# Altium PCB P0.PcbDoc (part 2 of 3) (continued)
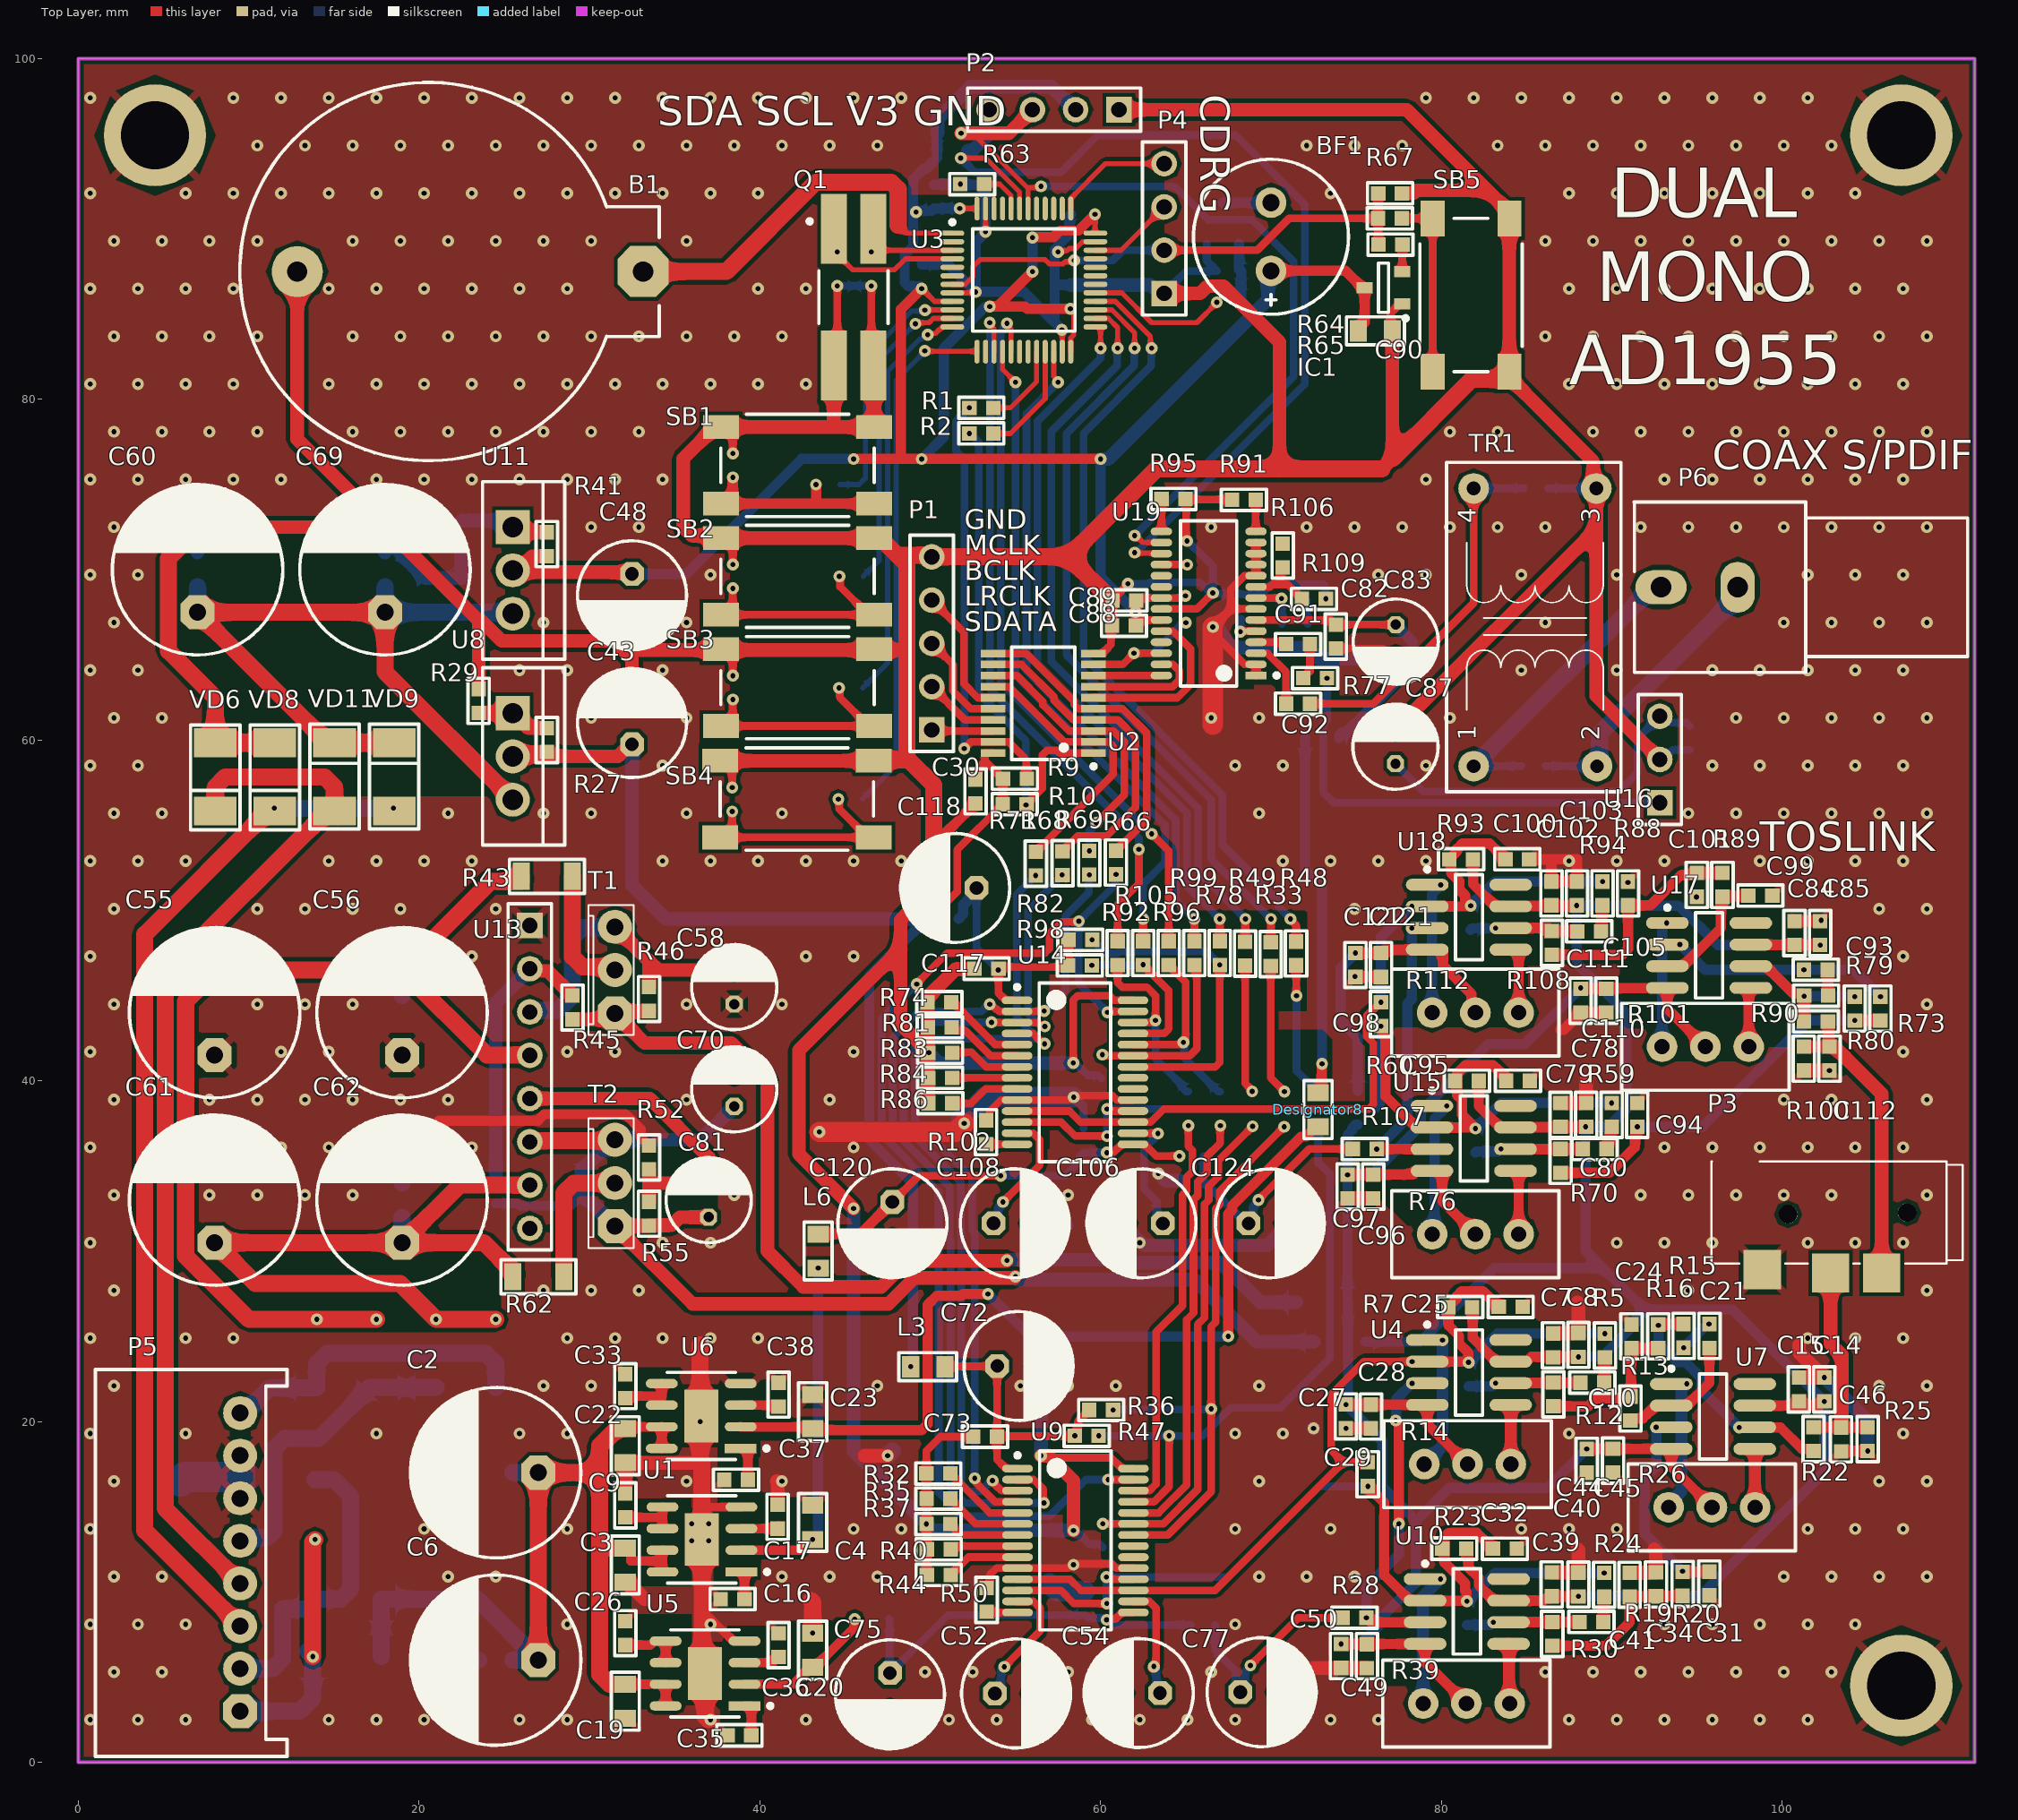
[diagram p0: Top Layer view]
## Nets (pads, with @x,y where several pads share a name; then routed paths per layer and width w, separated by ;. In a path a pad name is that pad's centre, name@x,y a point inside that pad or via, vN(x,y) a via of type N, cw(c..) or ccw(c..) an arc to the next point about the centre after c; other vN are vias at no path point) (continued)
AVDDL: C4.1 L6.2 U1.2 | length 20.9
  Top Layer w0.55: U1.2@38.918,12.447 42.342,12.447 42.977,13.082 v1(43.102,13.082) ; v1(43.423,29.007) 43.548,29.007 L6.2@43.773,28.782
  Bottom Layer w0.6: v1(43.102,13.082) 43.102,13.109 43.423,13.43 v1(43.423,29.007)
AVDDR: C20.1 L2.2 U5.2 | length 8.3
  Top Layer w0.55: U5.2@39.102,4.582 41.977,4.582 42.977,5.582 C20.1@43.102,5.582 43.227,5.582 45.541,7.896 45.541,8.38 v1(45.569,8.408)
AVDR: C23.1 Designator8.1 Designator8.2 L4.1 U6.2 | length 73.2
  Top Layer w0.55: U6.2@38.877,19.696 38.881,19.692 C23.1@42.991,19.692
  Top Layer w0.6: C23.1@42.991,19.692 C23.1@43.102,19.582 43.183,19.5 49.5,19.5 49.857,19.857 49.857,26.857 50.393,27.393 51.838,27.393 51.931,27.486 v1(53.388,27.486) ; v1(67.5,25) 67.482,25.018 67.482,32.189 67.725,32.432 67.725,32.674 71.776,36.725 72.056,36.725 72.638,37.306 Designator8.1@72.763,37.306 ; Designator8.2@72.763,39.306 72.781,39.306 72.981,39.506 72.981,40.981 v1(73,41)
  Bottom Layer w0.6: v1(53.388,27.486) 53.402,27.486 55.888,25 v1(67.5,25) ; L4.1@72,60.138 72,52.406 73,51.406 v1(73,41)
AVIN: C1.1 C2.1 C3.1 C5.1 C6.1 C19.1 C22.1 U1.7 U1.8 U5.7 U5.8 U6.7 U6.8 VD3.2 VD4.2 | length 61.5
  Top Layer w0.55: C19.1@32.102,4.582 U5.7@34.469,4.582 U5.8@34.469,3.312 ; C3.1@32.102,12.582 32.199,12.582 32.424,12.357 32.424,11.812 34.285,11.812 ; C22.1@32.102,19.582 32.212,19.692 34.241,19.692 U6.7@34.244,19.696 U6.8@34.244,18.426 ; U1.8@34.285,11.177 34.285,11.812 ; U1.7@34.285,12.447 34.285,11.812
  Top Layer w1: C6.1@27,6 C2.1@27,17 30.602,17 ; C19.1@32.102,4.582 31.187,4.582 30.602,5.167 30.602,12.5 ; C3.1@32.102,12.582 30.683,12.582 30.602,12.5 ; C22.1@32.102,19.582 31.602,19.582 30.602,18.582 30.602,17 ; 30.602,12.5 30.602,17
  Bottom Layer w1: VD3.2@17.763,6.203 17.779,6.219 17.779,9.566 VD4.2@17.795,9.582 23.418,9.582 C6.1@27,6 C5.1@25.5,6 ; C1.1@25.5,17 C2.1@27,17
BCLK: R68.1 U2.4 U2.12 | length 19.7
  Top Layer w0.45: U2.12@53.691,64.436 55.36,64.436 57.271,62.525 57.271,62.335 58.421,61.186 U2.4@59.591,61.186 61.031,61.186 62.042,60.175 62.042,56.042 60.363,54.363 58.66,54.363 R68.1@57.767,53.47
BCLK1: R68.2 U9.3 U14.3 | length 50.4
  Top Layer w0.45: v1(53.598,43.434) 53.607,43.425 U14.3@55.1,43.425 56.28,43.425 56.313,43.425 v1@56.409,43.33 ; v1(53.658,16.536) 53.658,16.469 53.8,16.327 53.8,16.324 54.181,15.943 U9.3@55.125,15.943 ; v1(57.741,52.083) 57.753,52.083 R68.2@57.767,52.07 57.967,51.87 57.967,51.858 R68.2@57.981,51.843
  Bottom Layer w0.45: v1(53.598,43.434) 49.625,43.434 48.45,42.259 48.45,37.388 51.8,34.038 51.8,30.98 51.838,30.943 51.838,16.346 52.292,15.892 52.947,15.892 53.59,16.536 v1(53.658,16.536) ; v1(56.728,43.188) 56.68,43.236 56.469,43.236 55.733,43.972 55.733,50.001 56.606,50.874 56.606,50.922 57.741,52.057 v1(57.741,52.083)
BUZZ: R31.1 U3.29 | length 8.4
  Top Layer w0.3: U3.29@59.7,86.25 61.25,86.25 63,84.5 65.65,84.5 66.819,85.669 v1(66.819,85.697)
DGNDD: B1.2 C11.1 C12.1 C13.1 C18.1 C30.1 C42.1 C43.2 C47.1 C48.2 C59.2 C60.2 C63.1 C64.2 C65.1 C67.1 C68.2 C69.2 C71.1 C72.2 C73.2 C86.1 C87.2 C88.1 C89.1 C90.2 C104.1 C115.1 C116.1 C117.2 C118.2 IC1.1 L1.1 L5.1 L7.2 P1.5 P2.1 P4.1 Q1.2 Q1.3 R29.2 R32.1 R34.2 R35.1 R37.1 R40.1 R42.2 R44.1 R51.1 R63.2 R67.1 R74.1 R75.1 R81.1 R83.1 R84.1 R86.1 R91.2 R95.2 R97.2 R103.1 R109.2 SB1.2 SB2.2 SB3.2 SB4.2 SB5.2 TR1.3 U2.10 U3.8 U3.23 U3.35 U3.47 U9.28 U14.28 U16.2 U19.22 VD6.1 VD8.1 VT1.2 | length 543.9
  Top Layer w0.3: U3.8@51.3,86.25 52.613,86.25 v1(52.667,86.304) ; v1@53.25,89.833 U3.47@53.25,91.2 ; v1(57.5,88.65) 57.577,88.727 58.037,88.727 58.16,88.85 58.543,88.85 58.943,89.25 U3.35@59.7,89.25 ; v1(57.731,84.08) 57.75,84.061 U3.23@57.75,82.8
  Top Layer w0.45: SB4.2@37.678,58.787 37.902,58.787 38.377,58.312 v1(38.377,57.21) ; SB1.2@37.715,78.373 37.939,78.373 38.414,77.898 v1(38.414,76.823) ; SB2.2@37.939,71.855 38.414,71.38 v1(38.414,70.305) ; SB3.2@37.984,65.285 38.414,64.854 v1(38.414,63.779) ; Q1.2@44.34,82 44.55,82.21 v1(44.55,86.66) ; Q1.3@46.55,82.11 v1(46.55,86.66) ; R44.1@49.8,11 49.789,11.011 49.789,16.943 R32.1@49.778,16.954 49.778,18.278 50.616,19.116 C73.2@52.52,19.116 ; 57.124,17.879 60.614,17.879 61.25,17.243 U9.28@61.925,17.243 ; v1(58.4,41.044) 58.4,44.736 58.663,45 60.522,45 60.797,44.725 U14.28@61.9,44.725 ; U2.10@59.591,65.086 60.091,65.086 60.616,65.61 60.616,66.652 C88.1@60.674,66.71 60.682,66.718 60.682,68.189 C89.1@60.69,68.197 61.24,68.747 61.24,68.798 61.605,69.163 v1(61.605,69.169) ; U19.22@63.57,67.696 65.651,67.696 v1(66.591,68.636) ; R95.2@64.979,74.153 R95.2@65.004,74.127 ; v1(65.078,71.687) 65.03,71.735 65.03,74.102 R95.2@65.004,74.127 ; R91.2@67.707,74.102 67.682,74.127 R95.2@65.004,74.127 ; C90.2@77.03,84.22 77.03,85.076 77.554,85.601 IC1.1@77.704,85.601
  Top Layer w0.6: 50.217,53.848 C30.1@52.657,56.288
  Top Layer w0.8: C60.2@7,72.5 C69.2@18,72.5 ; B1.2@12.848,87.5 12.848,77.651 C69.2@18,72.5 ; R29.2@23.5,63 23.5,67 ; C43.2@32.5,62.25 32.5,64.75 31.965,65.285 ; C48.2@32.5,67.25 32.5,65.82 31.43,65.82 ; SB1.2@37.715,78.373 37.365,78.373 35.5,76.508 35.5,72.5 36,72 37.795,72 37.939,71.855 SB2.2@46.715,71.855 SB2.2@47.065,71.855 ; SB4.2@37.902,58.787 SB4.2@46.678,58.787 ; SB1.2@37.939,78.373 44.5,78.373 ; Q1.2@44.34,82 44.34,78.533 44.5,78.373 ; v1(45.5,32.5) 42.3,35.7 42.3,41.8 48.264,47.764 ; Q1.3@46.55,82.11 Q1.3@46.66,82 46.688,81.972 46.688,78.401 SB1.2@46.715,78.373 44.5,78.373 ; 48.641,65.5 48.426,65.285 37.984,65.285 31.965,65.285 ; R86.1@49.901,38.685 49.842,38.745 49.842,40.172 R83.1@49.842,41.731 ; v1(49.925,41.648) R83.1@49.842,41.731 ; C118.2@50.217,51.32 50.129,51.32 48.264,49.455 48.264,47.764 ; C117.2@52.609,46.585 52.584,46.56 51.489,46.56 49.867,44.937 49.867,44.639 R74.1@49.842,44.614 49.842,43.146 R83.1@49.842,41.731 ; v1(56.5,18) 56.936,18 58.409,16.527 v1(58.409,13.601) ; P2.1@61.08,97 77.962,97 82.692,92.27 ; P4.1@63.734,86.215 65.84,86.215 66.272,86.647 67.212,86.647 70.5,83.359 70.5,75.913 ; 76.525,75.913 77.13,76.517 C90.2@77.13,84.02 ; C87.2@77.309,60.61 89.098,72.398 ; R67.1@77.695,92.09 77.72,92.115 78.389,92.115 78.544,92.27 82.692,92.27 ; U16.2@92.824,58.86 89.098,62.586 89.098,72.398 ; C69.2@18,72.5 23.5,67 ; 23.5,67 23.657,67 24.837,65.82 31.43,65.82 ; 31.43,65.82 31.965,65.285 ; 48.264,47.764 48.264,43.309 R83.1@49.842,41.731 ; 82.692,92.27 83.992,90.97 SB5.2@83.992,90.62 SB5.2@83.992,81.62 83.992,81.27 88.906,76.356 88.906,74.962 TR1.3@89.098,74.771 89.098,72.398
  Top Layer w1: C60.2@7,72.5 7,72.364 5.3,70.664 5.3,65.233 8.038,62.495 VD6.1@8.038,59.838 VD8.1@11.538,59.838 ; SB4.2@46.678,58.787 46.74,58.848 48.731,58.848 ; SB2.2@47.065,71.855 48.069,70.851 ; C118.2@50.217,51.32 50.217,53.848 50.217,57.362 48.731,58.848 ; C89.1@60.682,68.189 58.115,70.756 ; 76.525,75.913 70.5,75.913 63.272,75.913 58.115,70.756 ; 77.13,76.517 81.792,81.18 83.902,81.18 SB5.2@83.992,81.27 ; 48.069,70.851 49.995,70.851 P1.5@50.091,70.756 58.115,70.756 ; 48.069,70.851 48.641,70.28 48.641,65.5 48.641,58.938 48.731,58.848
  Bottom Layer w0.45: v1(44.55,86.66) v1(46.55,86.66) ; C118.2@50.217,51.32 C118.2@50.222,51.324 ; C72.2@56.435,23.264 56.468,23.231 56.468,18.032 v1(56.5,18) ; v1(58.4,41.044) 58.525,41.044 59.245,40.324 59.865,40.324 R103.1@60.065,40.124 ; v1(58.409,13.601) 58.534,13.601 59.33,12.805 59.936,12.805 R51.1@60.136,12.605 ; v1(61.605,69.169) 62.762,69.169 62.855,69.262 65.84,69.262 66.466,68.636 v1(66.591,68.636) ; P4.1@63.734,86.215 65.038,87.52 R34.2@66.845,87.52 66.231,88.133 VT1.2@66.231,89.127 ; v1(65.078,71.687) 65.596,71.169 65.647,71.169 66.591,70.224 v1(66.591,68.636) ; v1(73.229,68.298) 73.181,68.346 73.181,69.046 73.072,69.155 70.02,69.155 69.402,68.537 C104.1@68.264,68.537 68.215,68.586 66.64,68.586 v1(66.591,68.636) ; R75.1@86.249,74.795 86.262,74.783 89.085,74.783 TR1.3@89.098,74.771 ; U16.2@92.824,58.86 93.005,58.86 93.573,59.427 C86.1@94.587,59.427
  Bottom Layer w0.6: C71.1@49.504,87.916 51.055,87.916 v1(52.667,86.304) ; C65.1@50.233,92.606 C64.2@51.735,92.606 ; C65.1@50.248,92.591 52.807,92.591 53.249,92.149 v1(53.249,89.833) 53.249,89.806 52.667,89.223 v1(52.667,86.304) ; 57.293,84.519 55.507,86.304 v1(52.667,86.304) ; 57.5,86.714 C67.1@58.231,86.714 ; v1(57.5,88.65) 57.519,88.669 57.519,89.046 58.03,89.557 58.03,89.902 58.171,90.044 58.171,90.766 C63.1@58.272,90.866 ; v1@57.5,89 57.5,88.973 57.306,88.779 57.306,86.714 57.306,84.532 57.731,84.107 v1(57.731,84.08)
  Bottom Layer w0.8: C42.1@7,71 C60.2@7,72.5 ; C47.1@18,71 C69.2@18,72.5 ; C69.2@18.23,71.645 20.375,69.5 C68.2@20.5,69.5 C59.2@22.5,69.5 R42.2@22.5,71.5 ; v1(45.5,32.5) 45.5,18.269 v1(49.784,13.985) 50.149,13.62 58.39,13.62 v1(58.409,13.601) ; v1(49.925,41.648) 50.529,41.044 v1(58.4,41.044) ; C72.2@56.468,23.231 56.5,23.199 v1(56.5,18) ; C67.1@58.231,86.714 62.915,86.714 63.064,86.565 63.384,86.565 P4.1@63.734,86.215
  other v1: 51.767,92.631
DIRI2S: R2.2 U3.21 | length 6.6
  Top Layer w0.3: R2.2@53.7,78 54.7,78 56.75,80.05 U3.21@56.75,82.8
DVDD5: C30.2 C43.1 L3.2 L8.2 R9.2 R10.2 R27.2 U2.20 U8.2 | length 78.3
  Top Layer w0.45: v1(49.667,49.514) 49.715,49.562 50.05,49.562 51.592,51.104 51.592,53.571 R10.2@54.26,56.238 54.265,56.243 54.265,57.73 R9.2@54.27,57.735 53.265,58.74 53.195,58.74 ; C30.2@52.657,57.688 52.857,57.888 52.857,58.401 53.195,58.74 ; U2.20@53.691,59.236 53.195,59.236 53.195,58.74
  Top Layer w0.8: U8.2@25.5,59.04 U8.2@25.825,59.04 ; R27.2@27.5,59.3 27.475,59.275 26.06,59.275 U8.2@25.825,59.04 ; C43.1@32.616,59.75 C43.1@32.5,59.75 32.384,59.75 31.674,59.04 U8.2@25.825,59.04
  Bottom Layer w0.6: v1(48.857,23.223) 48.857,23.25 48.981,23.374 48.981,33.994 46.425,36.55 46.425,46.147 49.667,49.389 v1(49.667,49.514)
  Bottom Layer w0.8: C43.1@32.5,59.75 32.5,51.5 34.5,49.5 49.653,49.5 v1(49.667,49.514)
DVDDL: C117.1 C118.1 L8.1 R82.2 R98.1 U14.1 | length 15.8
  Top Layer w0.45: C118.1@52.717,51.32 C118.1@52.746,51.349 ; U14.1@55.1,44.725 54.425,44.725 54,45.15 v1(54,46.5) 54,46.585 54.095,46.68 57.99,46.68 R98.1@58.085,46.775 58.097,46.787 58.097,48.265 R82.2@58.109,48.277
  Bottom Layer w0.45: C118.1@52.717,51.102 52.717,47.783 v1(54,46.5)
  Bottom Layer w0.6: L8.1@51.667,49.514 51.942,49.789 51.942,50.326 52.717,51.102 C118.1@52.717,51.32
DVDDR: C72.1 C73.1 L3.1 R36.2 R47.1 U9.1 | length 16.4
  Top Layer w0.45: L3.1@50.857,23.223 50.877,23.243 53.915,23.243 C72.1@53.928,23.256 ; C72.1@53.935,23.264 C72.1@53.928,23.256 ; U9.1@55.125,17.243 54.45,17.243 53.92,17.773 C73.1@53.92,19.116 C73.1@53.928,19.123 ; R36.2@59.334,20.679 58.688,20.034 58.688,19.363 v1(58.488,19.163) 58.312,19.163 58.288,19.14 54.12,19.14 54.104,19.123 C73.1@53.928,19.123 ; C73.1@53.928,19.123 C72.1@53.928,23.256
DVDR3: BF1.1 C48.1 C63.2 C64.1 C65.2 C67.2 C71.2 C88.2 C89.2 C90.1 IC1.3 P2.2 R17.2 R21.2 R41.2 R72.2 U3.9 U3.24 U3.36 U3.48 U11.2 U19.21 U19.23 | length 145.9
  Top Layer w0.3: v1(49.5,86.5) 50.25,85.75 U3.9@51.3,85.75 ; v1(51.735,91.206) 52.75,91.206 U3.48@52.75,91.2 ; U3.24@58.25,82.8 58.25,83.608 58.431,83.79 58.431,85.005 ; v1(59.672,90.866) 59.672,89.75 U3.36@59.7,89.75
  Top Layer w0.45: C88.2@62.074,66.71 C88.2@62.082,66.718 ; U19.23@63.57,67.046 62.409,67.046 C88.2@62.082,66.718 ; v1(64.983,68.471) 64.915,68.471 64.79,68.346 U19.21@63.57,68.346 62.238,68.346 C89.2@62.09,68.197 62.082,68.189 C88.2@62.082,66.718
  Top Layer w0.6: v1(45.5,76.5) 48.5,76.5 ; v1(49.5,86.5) 48.284,85.284 48.284,76.716 48.5,76.5 ; v1(56,87.5) 53.973,85.473 53.519,85.473 v1(53.5,85.454) 55.555,85.454 55.695,85.314 v1(58.231,85.314) ; v1(56,89.5) 56.019,89.519 57.246,89.519 57.627,89.9 58.706,89.9 v1(59.672,90.866) ; v1(60,76.5) 48.5,76.5 ; BF1.1@70.003,87.545 74.373,87.545 IC1.3@75.436,86.482 ; C90.1@75.13,84.02 75.13,84.145 75.504,84.52 IC1.3@75.504,86.551
  Top Layer w0.8: R41.2@27.5,70.8 27.475,70.775 26.64,70.775 25.825,69.96 U11.2@25.5,69.96 25.605,69.855 32.395,69.855 C48.1@32.5,69.75
  Bottom Layer w0.3: C65.2@50.219,91.191 C65.2@50.233,91.206 ; v1(51.735,91.206) C64.1@51.75,91.22
  Bottom Layer w0.6: C48.1@32.5,69.75 35.699,69.75 42.449,76.5 v1(45.5,76.5) ; v1@49,91 49,92.929 49.587,93.516 49.746,93.516 R17.2@50.392,94.163 50.401,94.172 R21.2@50.401,95.609 ; v1@49.093,91.066 50.094,91.066 C65.2@50.219,91.191 ; v1(49.17,91) 49.17,90.973 49,90.803 49,88.986 48.5,88.486 48.5,86.851 48.71,86.641 49.379,86.641 49.5,86.52 v1(49.5,86.5) ; v1(49.5,76.5) 50.8,77.8 50.8,83.002 53.233,85.435 53.481,85.435 v1(53.5,85.454) ; C65.2@50.233,91.206 v1(51.735,91.206) ; v1(56,87.5) v1(56,89.5) ; v1(60,76.5) 60,69.572 v1(62.053,67.519)
  Bottom Layer w0.8: R21.2@50.401,95.609 R21.2@50.41,95.618 50.435,95.643 50.435,96.435 52.35,98.35 57.132,98.35 58.482,97 P2.2@58.54,97 ; v1(60,76.5) 60.458,76.5 69.812,85.854 69.812,87.353 BF1.1@70.003,87.545
ENI2S: R1.2 U3.20 | length 4.9
  Top Layer w0.3: R1.2@53.7,79.5 54.7,79.5 56.25,81.05 U3.20@56.25,82.8
ENTER: R4.1 U3.10 | length 15
  Top Layer w0.3: v1(49.689,85.243) 49.696,85.25 U3.10@51.3,85.25
  Bottom Layer w0.3: R4.1@44.7,75 45.824,75 46.2,75.376 46.2,82.487 48.889,85.176 49.622,85.176 v1(49.689,85.243)
ESC: R6.1 U3.11 | length 18.4
  Top Layer w0.3: v1(49.134,84.431) 49.201,84.498 49.934,84.498 50.185,84.75 U3.11@51.3,84.75
  Bottom Layer w0.3: R6.1@46.068,69.605 47,70.537 47,82.297 v1(49.134,84.431)
INPHL: C95.1 C98.2 R53.1 R59.1 R60.2 U14.12 U14.18 U15.2 | length 55.8
  Top Layer w0.45: U14.12@55.1,37.575 57.693,37.575 58.513,36.755 v1(60.381,36.755) ; v1(60.378,38.35) 60.446,38.35 60.571,38.225 U14.18@61.9,38.225
  Top Layer w0.6: v1(76.456,43.213) 76.581,43.088 76.581,42.662 76.725,42.519 76.725,39.089 78.554,37.26 U15.2@79.454,37.26 81.913,37.26 81.973,37.2 v1(82,37.2) 82,37.227 81.204,38.023 81.204,38.882 80.925,39.161 80.925,39.875 R60.2@80.8,40 80.925,40.125 80.925,40.425 81.425,40.925 83.024,40.925 83.675,40.274 83.675,40.125 C95.1@83.8,40
  Bottom Layer w0.45: v1(60.381,36.755) v1(60.381,36.755) 60.38,38.349 v1(60.378,38.35) 76.193,38.35 76.456,38.614 v1(76.456,43.213)
  Bottom Layer w0.6: v1(82,37.2) 83.5,38.7 v1(90,38.7)
INPHR: C25.1 C29.2 R3.1 R5.1 R7.2 U4.2 U9.11 U9.17 | length 52.4
  Top Layer w0.45: U9.11@55.125,10.743 58.2,10.743 58.85,10.093 U9.17@61.925,10.093 66.727,10.093 74.243,17.609 ; v1(75.681,17.609) 74.243,17.609 ; v1(78.287,23.519) 75.462,23.519 73.549,21.606 73.549,18.303 74.243,17.609
  Top Layer w0.6: U4.2@79.175,23.519 81.527,23.519 81.573,23.473 v1(81.6,23.473) 81.581,23.492 81.581,24.05 81.043,24.588 81.043,25.023 80.413,25.654 R7.2@80.413,26.716 80.888,27.191 80.888,27.348 81.181,27.641 82.462,27.641 C25.1@83.369,26.733
  Bottom Layer w0.6: v1(81.6,23.473) 83.292,25.165 v1(89.6,25.165)
INPLL: C98.1 C100.1 R87.1 R93.2 R94.1 U14.11 U14.17 U18.2 | length 52.7
  Top Layer w0.45: U14.11@55.1,38.225 58.175,38.225 58.825,37.575 U14.17@61.9,37.575 62.938,37.575 63.701,38.338 75.736,38.338 76,38.601 76,42.218 75.606,42.612 75.606,43.814 75.887,44.095 75.938,44.095 v1(76.456,44.613)
  Top Layer w0.6: U18.2@79.175,50.237 81.655,50.237 81.695,50.277 v1(81.722,50.277) 81.722,50.304 81.403,50.623 81.403,50.877 81.06,51.22 81.06,51.724 80.585,52.199 80.585,53.125 80.935,53.475 80.935,53.632 81.228,53.925 82.835,53.925 C100.1@83.76,53
  Bottom Layer w0.6: v1(76.456,44.613) 76.456,48.427 v1(78.271,50.241) ; v1(81.722,50.277) 81.733,50.277 83.156,51.7 v1(89.46,51.7)
INPLR: C29.1 C32.1 R18.1 R23.2 R24.1 U9.12 U9.18 U10.2 | length 53.9
  Top Layer w0.45: U9.12@55.125,10.093 57.662,10.093 58.437,9.318 v1(60.366,9.318) ; v1(60.342,10.874) 60.409,10.874 60.54,10.743 U9.18@61.925,10.743
  Top Layer w0.6: v1(75.687,16.199) 75.681,16.204 C29.1@75.681,16.209 76.655,15.236 76.655,14.444 76.65,14.44 76.65,10.987 78.147,9.49 U10.2@79.047,9.49 79.061,9.476 v1@81.483,9.476 ; v1(81.497,9.462) v1@81.483,9.476 ; C32.1@83.03,12.536 82.094,13.471 80.605,13.471 80.6,13.465 80.412,13.465 80.186,13.239 80.186,12.671 R23.2@80.061,12.546 80.186,12.421 80.186,11.724 81.397,10.512 81.397,10.077 81.478,9.996 81.478,9.481 v1@81.483,9.476
  Bottom Layer w0.45: v1(60.366,9.318) 60.354,9.33 60.354,10.861 v1(60.342,10.874) 67.494,10.874 72.819,16.199 v1(75.687,16.199)
  Bottom Layer w0.6: v1(81.497,9.462) 83.148,11.114 v1(89.559,11.114)
L: R11.1 U3.13 | length 30.9
  Top Layer w0.3: v1(49.684,82.84) 49.7,82.824 52.75,82.824 U3.13@52.75,82.8
  Bottom Layer w0.3: R11.1@46.01,56.537 48,58.526 48,81.123 49.684,82.807 v1(49.684,82.84)
LRCLK: R69.1 U2.3 U2.13 | length 16.7
  Top Layer w0.45: U2.13@53.691,63.786 55.091,63.786 56.621,62.255 56.621,62.066 58.152,60.536 U2.3@59.591,60.536 60.761,60.536 61.391,59.906 61.391,56.778 v1(59.751,55.138)
  Bottom Layer w0.45: v1(59.339,53.498) 59.339,54.659 59.751,55.07 v1(59.751,55.138)
LRCLK1: R69.2 U9.2 U14.2 | length 55.3
  Top Layer w0.45: v1(53.5,44.5) 53.568,44.5 53.858,44.209 53.919,44.209 54.053,44.075 U14.2@55.1,44.075 56.666,44.075 v1(56.696,44.105) ; U9.2@55.125,16.593 56.069,16.593 56.632,16.03 56.632,15.268 v1(56.68,15.22)
  Bottom Layer w0.45: v1(53.5,44.5) 53.432,44.5 53.017,44.084 49.356,44.084 47.8,42.528 47.8,37.119 51.15,33.769 51.15,30.711 51.188,30.673 51.188,16.077 52.045,15.22 v1(56.68,15.22) ; v1(56.696,44.105) 57.949,45.358 57.949,49.692 59.323,51.065 59.323,52.072 v1(59.341,52.09)
LSE1: C115.2 Q1.4 U3.3 | length 4.8
  Top Layer w0.3: v1(46.55,88.66) 46.64,88.75 U3.3@51.3,88.75
LSE2: C116.2 Q1.1 U3.4 | length 7.6
  Top Layer w0.3: v1(44.55,88.66) 44.55,88.5 45.45,87.6 47.903,87.6 48.553,88.25 U3.4@51.3,88.25
MCLK: R66.1 U2.5 U2.11 | length 18.7
  Top Layer w0.45: U2.11@53.691,65.086 55.641,65.086 58.441,62.286 58.441,62.085 58.69,61.836 U2.5@59.591,61.836 61.3,61.836 62.713,60.422 62.713,55.324 R66.1@60.903,53.513
MCLK1: R66.2 U9.27 U14.27 | length 67.8
  Top Layer w0.45: v1(49.214,45.679) 49.214,45.714 51,47.5 56.736,47.5 57,47.764 57,48.619 57.704,49.323 58.677,49.323 v1(58.724,49.371) ; v1(60.404,44.022) 60.472,44.022 60.525,44.075 U14.27@61.9,44.075 ; v1(60.441,16.59) 60.443,16.593 U9.27@61.925,16.593 ; v1(60.905,52.113) R66.2@60.952,52.066
  Bottom Layer w0.45: v1(49.214,45.679) 49.179,45.679 47.15,43.65 47.15,36.85 50.5,33.5 50.5,15.846 51.901,14.445 57.001,14.445 59.146,16.59 v1(60.441,16.59) ; v1(60.404,44.022) 58.712,45.715 58.712,49.358 v1(58.724,49.371) 60.857,51.503 60.857,52.065 v1(60.905,52.113)
MUTEL: R78.2 U3.25 | length 42.3
  Top Layer w0.3: U3.25@59.7,84.25 60,84.25 v1(60,83)
  Top Layer w0.45: R78.2@67,48.2 v1(67,49.5)
  Bottom Layer w0.45: v1(60,83) 60,82.404 56.3,78.704 56.3,64.5 65.075,55.725 65.075,51.425 v1(67,49.5)
MUTER: R33.2 U3.27 | length 45.3
  Top Layer w0.3: U3.27@59.7,85.25 60.664,85.25 62,83.914 v1(62,83)
  Top Layer w0.45: R33.2@69.988,48.141 69.994,48.147 69.994,49.494 v1(70,49.5)
  Bottom Layer w0.45: v1(62,83) 61.975,82.975 61.975,81.975 58,78 58,65 66.5,56.5 66.5,53 v1(70,49.5)
NetB1_1: B1.1 U3.1 | length 22.8
  Top Layer w0.3: 48.12,90.217 48.587,89.75 U3.1@51.3,89.75
  Top Layer w1: B1.1@33.151,87.5 38.04,87.5 43.29,92.75 47.71,92.75 48.12,92.34 48.12,90.217
NetBF1_2: BF1.2 VT1.3 | length 2.8
  Bottom Layer w0.6: VT1.3@67.181,91.527 67.181,91.536 69.995,91.536 BF1.2@70.003,91.545
NetC9_1: C9.1 U1.5 U1.6 | length 3.5
  Top Layer w0.55: C9.1@32.102,14.382 34.255,14.382 34.285,14.352 ; U1.6@34.285,13.717 34.285,14.352 ; U1.5@34.285,14.987 34.285,14.352
NetC10_1: C10.1 R3.2 R12.1 U4.6 | length 5.8
  Top Layer w0.6: U4.6@84.075,22.249 84.094,22.268 88.139,22.268 C10.1@88.158,22.287
  Bottom Layer w0.6: R3.2@81.6,22.073 82.971,22.073 83.16,22.262 v1(83.187,22.262)
NetC10_2: C10.2 R5.2 | length 1.5
  Top Layer w0.6: C10.2@89.558,22.287 89.579,22.307 89.579,23.744 R5.2@89.6,23.765
NetC11_2: C11.2 R4.2 SB1.1 | length 11.9
  Top Layer w0.6: SB1.1@37.715,73.873 SB1.1@38.014,73.873 ; v1(38.414,75.423) 38.414,74.273 SB1.1@38.014,73.873 ; v1(43.3,75) 43.319,74.981 43.319,74.054 43.5,73.873 ; SB1.1@46.715,73.873 43.5,73.873 ; SB1.1@38.014,73.873 43.5,73.873
NetC12_2: C12.2 R6.2 SB2.1 | length 13.7
  Top Layer w0.45: SB2.1@37.715,67.355 SB2.1@37.939,67.355 ; v1(38.414,68.905) 38.414,67.83 SB2.1@37.939,67.355 ; v1(44.668,69.605) 44.716,69.557 44.716,69.004 SB2.1@46.365,67.355 ; SB2.1@46.715,67.355 SB2.1@46.365,67.355 ; SB2.1@37.939,67.355 SB2.1@46.365,67.355
NetC13_2: C13.2 R8.2 SB3.1 | length 13.7
  Top Layer w0.45: SB3.1@37.715,60.829 SB3.1@37.939,60.829 ; v1(38.414,62.379) 38.414,61.304 SB3.1@37.939,60.829 ; v1(44.647,63.069) 44.695,63.021 44.695,62.499 SB3.1@46.365,60.829 ; SB3.1@46.715,60.829 SB3.1@46.365,60.829 ; SB3.1@37.939,60.829 SB3.1@46.365,60.829
NetC16_1: C16.1 U1.1 | length 1.8
  Top Layer w0.55: U1.1@38.918,11.177 39.098,11.177 39.102,11.173 C16.1@39.102,9.582
NetC17_1: C17.1 U1.3 | length 2.3
  Top Layer w0.55: U1.3@38.918,13.717 40.937,13.717 C17.1@41.102,13.881
NetC18_2: C18.2 R11.2 SB4.1 | length 13.7
  Top Layer w0.45: SB4.1@37.678,54.287 SB4.1@37.902,54.287 ; v1(38.377,55.81) 38.377,54.762 SB4.1@37.902,54.287 ; v1(44.61,56.537) 44.658,56.489 44.658,55.957 SB4.1@46.328,54.287 ; SB4.1@46.678,54.287 SB4.1@46.328,54.287 ; SB4.1@37.902,54.287 SB4.1@46.328,54.287
NetC21_1: C21.1 R13.1 U7.2 | length 7.6
  Top Layer w0.6: R13.1@91.1,20.065 91.225,20.19 91.825,20.19 92.572,20.937 U7.2@93.499,20.937 94.399,20.937 95.739,22.276 C21.1@95.739,24.328 C21.1@95.746,24.321
NetC21_2: C21.2 R15.2 | length 2.1
  Bottom Layer w0.6: v1(94.219,24.328) 95.599,25.709 95.692,25.709 v1(95.711,25.728)
NetC24_1: C24.1 R12.2 R13.2 R16.1 | length 9.2
  Top Layer w0.6: R12.2@86.576,20.899 88.618,20.899 89.08,21.362 90.996,21.362 R13.2@91.1,21.465 91.132,21.497 91.132,24.27 C24.1@91.164,24.302 ; C24.1@91.164,24.302 R16.1@92.73,24.303
NetC26_1: C26.1 U5.5 U5.6 | length 3.7
  Top Layer w0.55: C26.1@32.102,6.882 33.571,6.882 33.811,7.122 U5.5@34.469,7.122 U5.6@34.469,5.852